# Altium PCB Thunderscope_Rev3.PCBDOC (part 2 of 6) (continued)
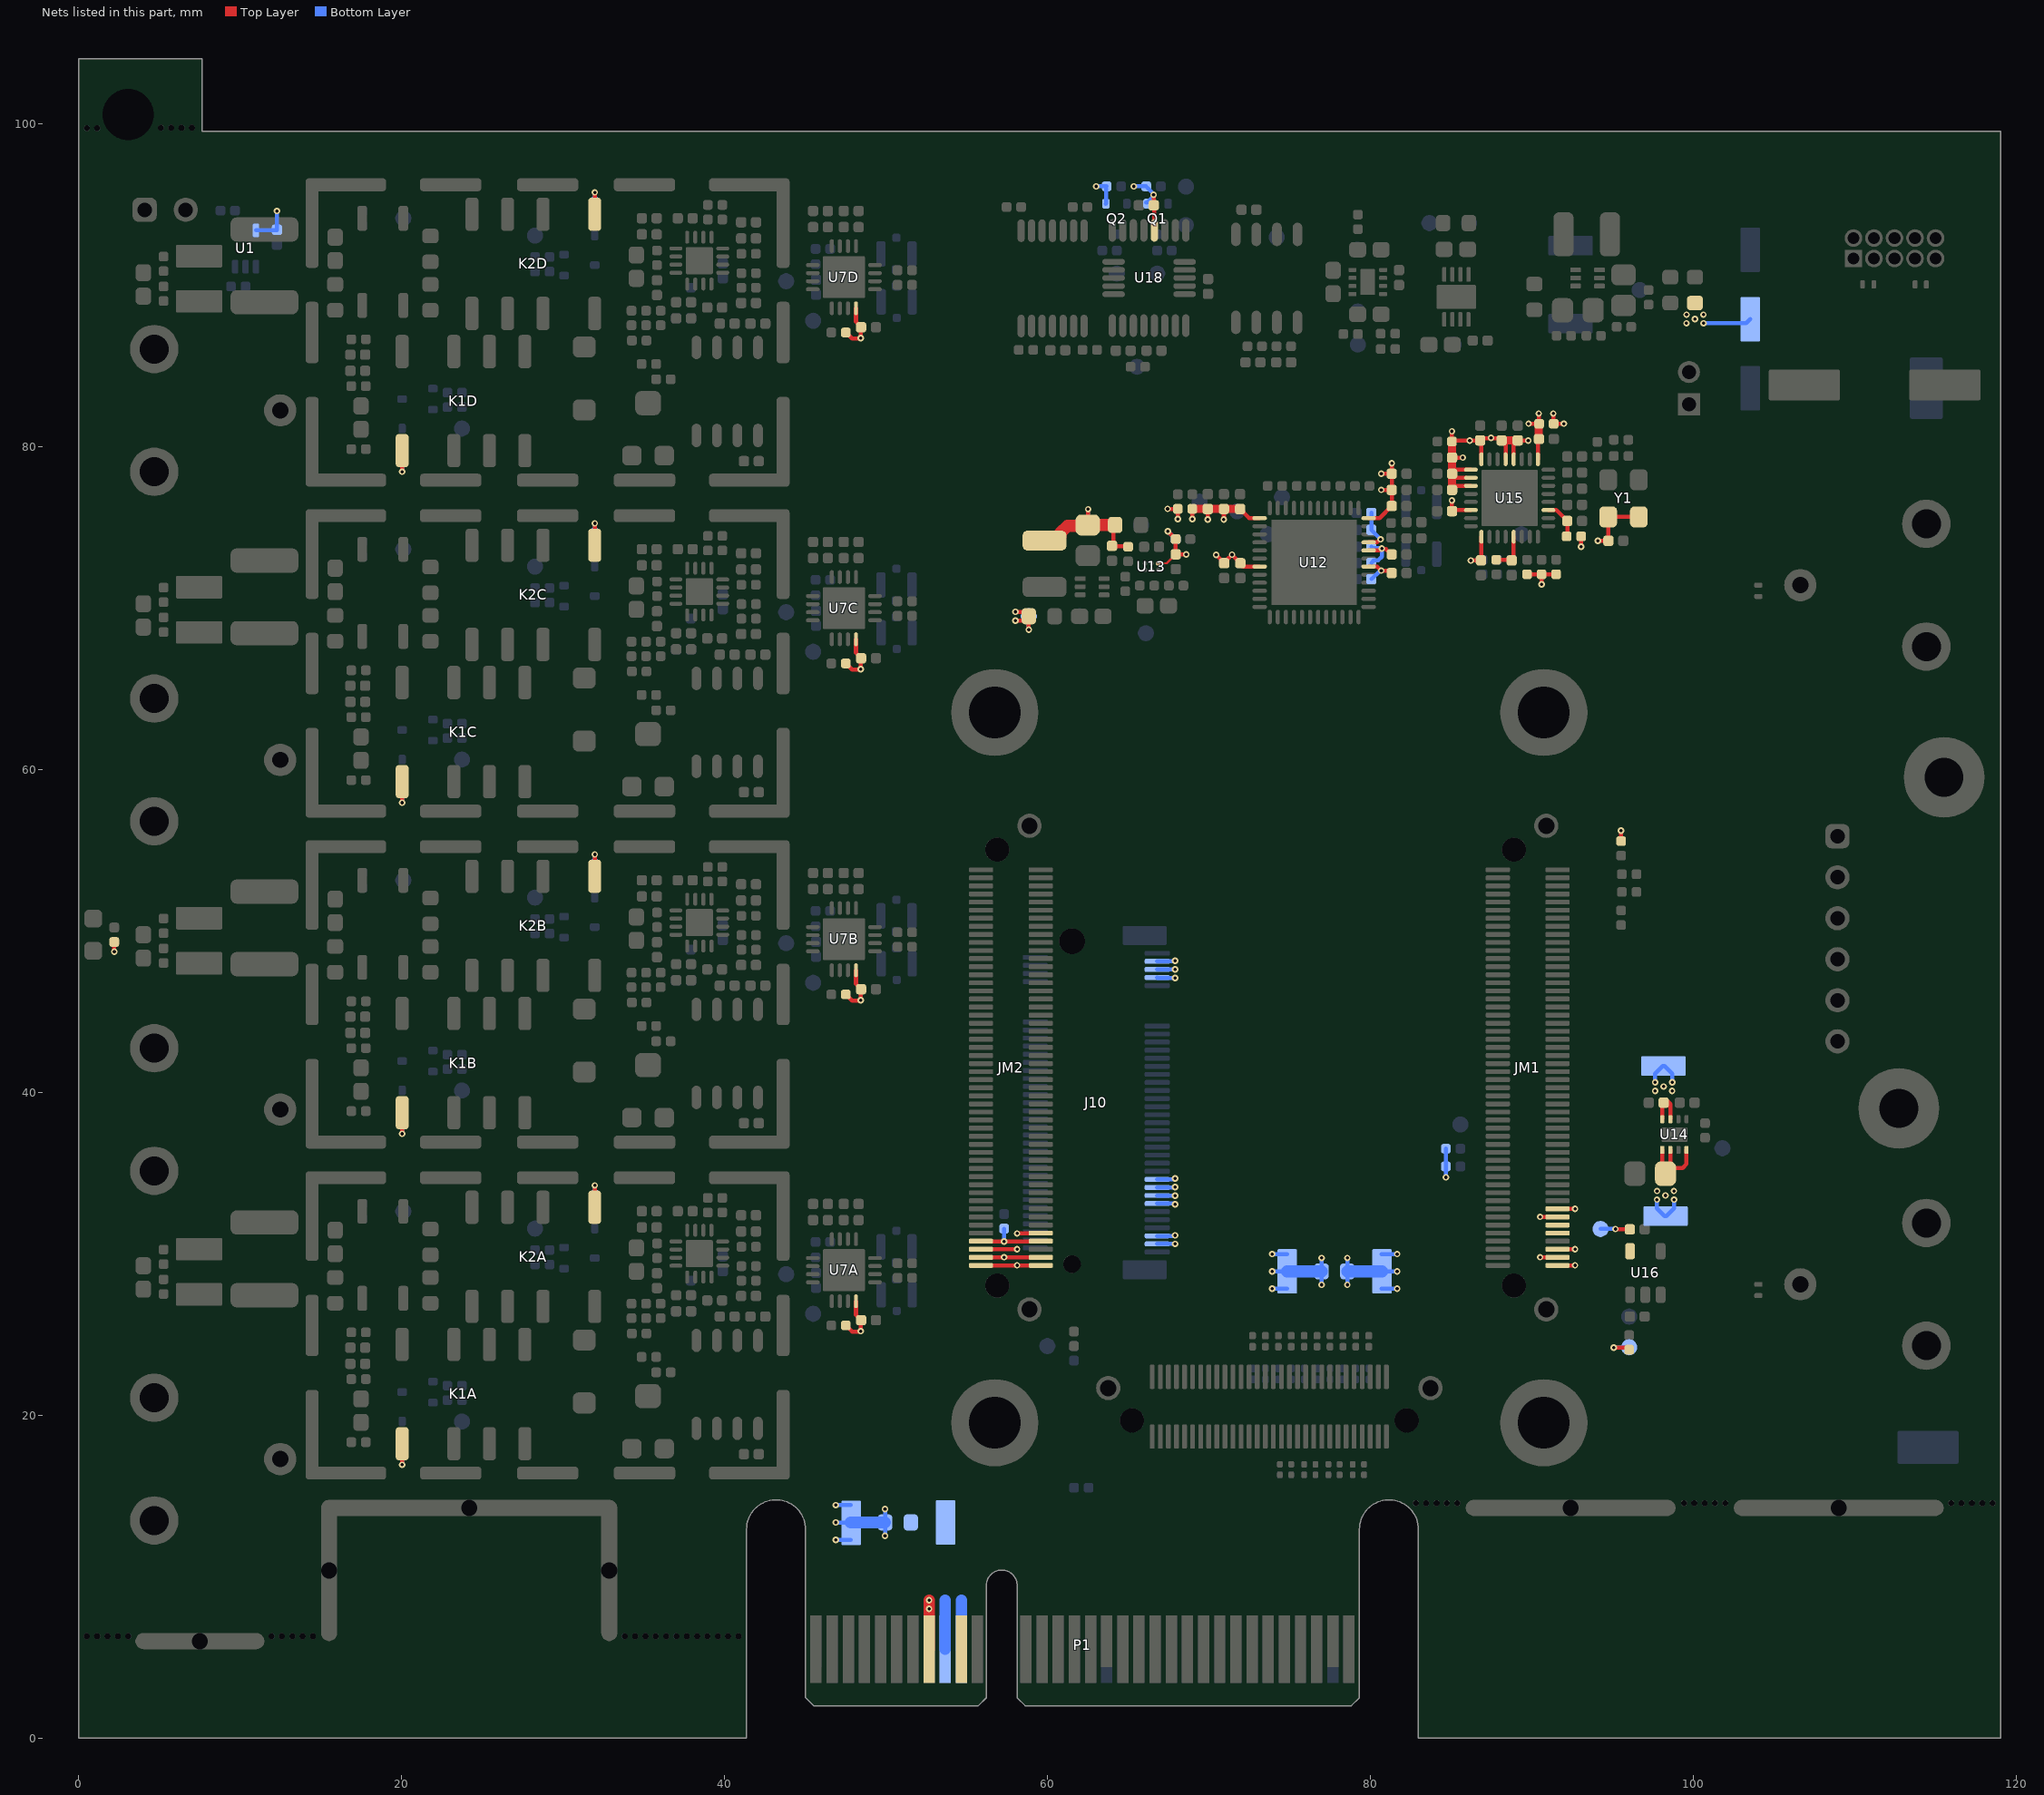
[diagram p6: the nets of this part, all layers, seen from the top]
## Footprints (in the part's own frame and the unit in brackets; to place one, negate y for a bottom-side part, rotate by r counter-clockwise, add the part's x,y. Pads: shape width x height; smd on the part's side, far side on the other; paste and mask are expansions set on the pad) (continued)
  silkscreen extent -0.83,-0.85 0.65,1.2, body extent -0.8,-0.85 0.8,0.85, height 0.6
TI_TSSOP16_PW0016A [mm] "TSOP, 16-Leads, Body 5.00x4.40mm, Pitch 0.65mm, IPC Medium Density"
  oval 1.4x0.45 smd: 1(-2.95,2.275) 2(-2.95,1.625) 3(-2.95,0.975) 4(-2.95,0.325) 5(-2.95,-0.325) 6(-2.95,-0.975) 7(-2.95,-1.625) 8(-2.95,-2.275) 9(2.95,-2.275) 10(2.95,-1.625) 11(2.95,-0.975) 12(2.95,-0.325) 13(2.95,0.325) 14(2.95,0.975) 15(2.95,1.625) 16(2.95,2.275)
  silkscreen extent -3.07,-2.55 1.85,3.17, body extent -3.2,-2.55 3.2,2.55, height 1.2
TI_VQFN_RGT0016C [mm] "QFN, 16-Leads, Body 3.00x3.00mm, Pitch 0.50mm, Thermal Pad 1.68x1.68mm, IPC Medium Density"
  oval 0.8x0.25 smd: 1(-1.45,0.75) 2(-1.45,0.25) 3(-1.45,-0.25) 4(-1.45,-0.75) 9(1.45,-0.75) 10(1.45,-0.25) 11(1.45,0.25) 12(1.45,0.75)
  oval 0.25x0.8 smd: 5(-0.75,-1.45) 6(-0.25,-1.45) 7(0.25,-1.45) 8(0.75,-1.45) 13(0.75,1.45) 14(0.25,1.45) 15(-0.25,1.45) 16(-0.75,1.45)
  rrect10% 1.68x1.68 smd paste-0.1: 17(0,0)
  silkscreen extent -2.47,-1.7 1.7,1.7, body extent -1.55,-1.55 1.55,1.55, height 1
TI_WQFN_RGH0016A [mm] "QFN, 16-Leads, Body 4.00x4.00mm, Pitch 0.50mm, Thermal Pad 2.60x2.60mm, IPC Medium Density"
  oval 0.85x0.25 smd: 1(-1.925,0.75) 2(-1.925,0.25) 3(-1.925,-0.25) 4(-1.925,-0.75) 9(1.925,-0.75) 10(1.925,-0.25) 11(1.925,0.25) 12(1.925,0.75)
  oval 0.25x0.85 smd: 5(-0.75,-1.925) 6(-0.25,-1.925) 7(0.25,-1.925) 8(0.75,-1.925) 13(0.75,1.925) 14(0.25,1.925) 15(-0.25,1.925) 16(-0.75,1.925)
  rrect5% 2.6x2.6 smd paste-1.3: 17(0,0)
  silkscreen extent -2.97,-2.2 2.2,2.2, body extent -2.05,-2.05 2.05,2.05, height 0.8
TI_WSON8_DSG0008A [mm] "SON, 8-Leads, Body 2.00x2.00mm, Pitch 0.50mm, Thermal Pad 1.60x0.69mm, IPC Medium Density"
  rrect50% 0.5x0.25 smd: 1(-0.95,0.75) 2(-0.95,0.25) 3(-0.95,-0.25) 4(-0.95,-0.75) 5(0.95,-0.75) 6(0.95,-0.25) 7(0.95,0.25) 8(0.95,0.75)
  rrect10% 0.9x1.6 smd paste-0.9: 9(0,0)
  silkscreen extent -1.35,-1.2 1.05,1.25, body extent -1.05,-1.05 1.05,1.05, height 0.8
TI_X1SON_DPY0002A [mm] "Chip Resistor, 2-Leads, Body 1.00x0.50mm, IPC Medium Density"
  rrect50% 0.3x0.5 smd: 1(-0.35,0) 2(0.35,0)
  body extent -0.55,-0.35 0.55,0.35, height 0.45

## Part data
C1 C12 C13 C14 C24A C24B C24C C24D C26A C26B C26C C26D C28A C28B C28C C28D C32A C32B C32C C32D C33A C33B C33C C33D C34A C34B C34C C34D C35A C35B C35C C35D C36A C36B C36C C36D C37A C37B C37C C37D C38A C38B C38C C38D C39A C39B C39C C39D C59 C63A C63B C63C C63D C64A C64B C64C C64D C96 C97 C98 C99 C100 C102A C102B C102C C102D C103 C104 C107 C108 C109 C110: library part "CAP 100nF 16V X7R 0402", Package=0402, Supplier Part Number 1=490-4759-1-ND, Voltage Rating=16V, Supplier 1=Digi-Key
C2 C3 C53 C91: library part "CAP 22uF 25V X5R 0805", Package=0805, Supplier Part Number 1=490-10749-1-ND, Voltage Rating=25V, Supplier 1=Digi-Key
C4 C10 C22A C22B C22C C22D C45 C46 C56: library part "CAP 1nF 50V C0G 0402", Package=0402, Supplier Part Number 1=490-6189-1-ND, Voltage Rating=50V, Supplier 1=Digi-Key
C5 C6 C7 C8 C11 C52 C60: library part "CAP 10uF 10V X5R 0603", Package=0402, Supplier Part Number 1=490-10474-1-ND, Voltage Rating=10V, Supplier 1=Digi-Key
C9 C25A C25B C25C C25D C41 C42 C49 C50 C54 C58 C82 C83 C84 C85 C86 C87 C88 C89 C90 C92 C93 C94 C95 C105 C106: library part "CAP 1uF 25V X5R 0402", Package=0402, Supplier Part Number 1=490-10017-1-ND, Voltage Rating=25V, Supplier 1=Digi-Key
C15 C16 C40 C62 C65 C66 C67 C68 C69 C70 C71 C72 C73 C74 C75 C76 C77 C79 C80 C81: library part "CAP 100nF 6.3V X5R 0201", Package=0201, Supplier Part Number 1=490-3167-1-ND, Voltage Rating=6.3V, Supplier 1=Digi-Key
C17A C17B C17C C17D C27A C27B C27C C27D C101A C101B C101C C101D: library part "CAP 22nF 100V X7R 0603", Package=0603, Supplier Part Number 1=490-4782-1-ND, Voltage Rating=100V, Supplier 1=Digi-Key
C18A C18B C18C C18D: library part "CAP TRIMMER 5.5-20PF 500V", Supplier Part Number 1=2447-SGC3S200NMCT-ND, Supplier 1=Digikey
C19A C19B C19C C19D: library part "CAP 10pF 100V C0G 0603", Package=0603, Supplier Part Number 1=478-5769-1-ND, Voltage Rating=100V, Supplier 1=Digi-Key
C20A C20B C20C C20D: library part "CAP 680pF 50V C0G 0402", Package=0402, Supplier Part Number 1=490-16439-1-ND, Temperature Coefficient=C0G, Voltage Rating=50V, Supplier 1=Digi-Key
C21A C21B C21C C21D: library part "CAP 300pF 50V C0G 0402", Package=0402, Supplier Part Number 1=490-GCM1555C1H301FA16DCT-ND, Temperature Coefficient=C0G, Voltage Rating=50V, Supplier 1=Digi-Key
C23A C23B C23C C23D C43 C44 C47 C48 C55 C57: library part "CAP 10nF 50V X7R 0402", Package=0402, Supplier Part Number 1=490-6351-1-ND, Voltage Rating=50V, Supplier 1=Digi-Key
C29A C29B C29C C29D C30A C30B C30C C30D: library part "CAP 100pF 50V C0G 0402", Package=0402, Supplier Part Number 1=490-14349-1-ND, Temperature Coefficient=C0G, Voltage Rating=50V, Supplier 1=Digi-Key
C31A C31B C31C C31D C61 C78A C78B C78C C78D: library part "CAP 2.2uF 10V X5R 0402", Package=0402, Supplier Part Number 1=587-3153-1-ND, Voltage Rating=10V, Supplier 1=Digi-Key
C51: library part "CAP 39pF 50V C0G 0402", Package=0402, Supplier Part Number 1=399-C0402C390J5GAC7867CT-ND, Temperature Coefficient=C0G, Voltage Rating=50V, Supplier 1=Digi-Key
C111: library part "CAP 1000uF 16V 10mm Dia", Package=10mm, Supplier Part Number 1=P124991CT-ND, Voltage Rating=16V, Supplier 1=Digi-Key
D1: library part "LED GREEN 0603 LTST-S270K", Supplier Part Number 1=160-1478-1-ND, Supplier 1=Digi-Key
D2A D2B D2C D2D D3A D3B D3C D3D: library part "DIODE 1N4148", Max Current=150mA, Max Reverse Voltage=75V, Supplier Part Number 1=1N4148WS-FDICT-ND, Supplier 1=Digi-Key
D4 D5 D6 D7: library part "TVS TPD1E1B04", Supplier Part Number 1=296-47364-1-ND, Supplier 1=Digi-Key
FB1 FB2 FB3 FB4 FB5 FB6 FB7: library part "FERRITE BEAD 120 OHM 0402", Supplier Part Number 1=490-9656-1-ND, Supplier 1=Digi-Key
GDT1A GDT1B GDT1C GDT1D: library part "GDT 75V 1812", Supplier Part Number 1=YAG6774CT-ND, Supplier 1=Digi-Key
J1: library part "CONN 2.54mm 2 Pin TH RA", Supplier Part Number 1=SAM12296-ND, Supplier 1=Digi-Key
J2A J2B J2C J2D J3A J3B J3C J3D J5 J6: library part "UFL Jack SMD", Supplier Part Number 1=A145155CT-ND, Supplier 1=Digi-Key
J4A J4B J4C J4D J7 J9: library part "BNC JACK R/A", Supplier Part Number 1=WM5524-ND, Supplier 1=Digi-Key
J8: library part "CONN 2.54mm 6 Pin TH RA", Supplier Part Number 1=732-5339-ND, Supplier 1=Digi-Key
J10: Supplier Part Number 1=A124992CT-ND, Supplier 1=Digi-Key
J11: library part "CONN 1.27mm 2x5 Pin TH RA", Supplier Part Number 1=1175-1628-ND, Supplier 1=Digi-Key
J12: library part "CONN JST PH 2 Pin TH", Supplier Part Number 1=455-1704-ND, Supplier 1=Digi-Key
JM1 JM2: library part "CONN LSHM-150-04.0-L-DV-A-S-K-TR", Supplier Part Number 1=SAM9033CT-ND, Supplier 1=Digi-Key
JM3: library part "CONN LSHM-130-04.0-L-DV-A-S-K-TR", Supplier Part Number 1=SAM9034CT-ND, Supplier 1=Digi-Key
K1A K1B K1C K1D K2A K2B K2C K2D: library part "RELAY DPDT-NO FTR-B3SA", Supplier Part Number 1=817-FTR-B3SA003Z, Supplier 1=Mouser
L1 L2: library part "IND 1uH 3.1A 45 MOHM 1210", Supplier Part Number 1=490-10590-1-ND, Supplier 1=Digi-Key
MH1 MH2 MH3 MH4: library part "MH M3"
P1: library part CMP-0001-00031-2, "Golden finger, PCIeX4, Dual, Opposite, Pitch 1mm, 64-Position", ClassName="Edge Connector", Datasheet Version="rev2.0, Apr-2007", Mating Connector=Molex-87715-9106, Package Reference=PCIeX4-GF-2D-1000-1K-O64, Publisher=Altium
Q1 Q2 Q3A Q3B Q3C Q3D Q4A Q4B Q4C Q4D: library part "NMOS DMN62D0UW", Max Power=320mW, Supplier Part Number 1=DMN62D0UW-7DICT-ND, Id=340mA, Supplier 1=Digi-Key, Vdss=60V
R1 R30A R30B R30C R30D R31A R31B R31C R31D R33A R33B R33C R33D R40A R40B R40C R40D R50A R50B R50C R50D R51A R51B R51C R51D R86 R88 R106 R107 R108 R109: library part "RES 0 OHM 1/16W 0402", Package=0402, Power Rating=0.0625W, Supplier Part Number 1=311-0.0JRCT-ND, Supplier 1=Digi-Key
R2 R6 R14 R16 R20 R21 R22 R23 R26A R26B R26C R26D R27A R27B R27C R27D R28A R28B R28C R28D R29A R29B R29C R29D R38 R42 R44 R46 R52A R52B R52C R52D R56A R56B R56C R56D R66 R89 R90 R91 R92 R93 R94 R96A R96B R96C R96D R101 R102 R103 R110: library part "RES 10K OHM 1% 1/10W 0402", Package=0402, Power Rating=0.1W, Supplier Part Number 1=P10.0KLCT-ND, Tolerance=1%, Supplier 1=Digi-Key
R3 R4 R5 R7 R36 R58 R87 R95: library part "RES 0.01 OHM 1% 1/4W 0603", Package=0603, Power Rating=0.25W, Supplier Part Number 1=408-1404-1-ND, Tolerance=1%, Supplier 1=Digi-Key
R8 R9 R104: library part "RES 0.1 OHM 1% 1/6W 0402", Package=0402, Power Rating=0.16W, Supplier Part Number 1=P.10AKCT-ND, Tolerance=1%, Supplier 1=Digi-Key
R10 R25A R25B R25C R25D: library part "RES 681K OHM 1% 1/16W 0402", Package=0402, Power Rating=0.0625W, Supplier Part Number 1=YAG3212CT-ND, Tolerance=1%, Supplier 1=Digi-Key
R11 R24A R24B R24C R24D: library part "RES 309K OHM 1% 1/16W 0402", Package=0402, Power Rating=0.0625W, Supplier Part Number 1=YAG3108CT-ND, Tolerance=1%, Supplier 1=Digi-Key
R12 R43A R43B R43C R43D R47A R47B R47C R47D R49A R49B R49C R49D: library part "RES 90.9K OHM 1% 1/16W 0402", Package=0402, Power Rating=0.0625W, Supplier Part Number 1=311-90.9KLRCT-ND, Tolerance=1%, Supplier 1=Digi-Key
R13 R32A R32B R32C R32D R39 R61 R105: library part "RES 100K OHM 1% 1/10W 0402", Package=0402, Power Rating=0.1W, Supplier Part Number 1=311-100KLRCT-ND, Tolerance=1%, Supplier 1=Digi-Key
R15 R17 R18 R19 R48A R48B R48C R48D: library part "RES 2K OHM 1% 1/16W 0402", Package=0402, Power Rating=0.0625W, Supplier Part Number 1=311-2KLRCT-ND, Tolerance=1%, Supplier 1=Digi-Key
R34A R34B R34C R34D R41A R41B R41C R41D R99A R99B R99C R99D R100A R100B R100C R100D: library part "RES 909K OHM 1% 1/16W 0402", Package=0402, Power Rating=0.0625W, Supplier Part Number 1=YAG2377CT-ND, Tolerance=1%, Supplier 1=Digi-Key
R35A R35B R35C R35D R67 R97A R97B R97C R97D R98A R98B R98C R98D: library part "RES 1K OHM 1% 1/10W 0402", Package=0402, Power Rating=0.1W, Supplier Part Number 1=311-1.00KLRCT-ND, Tolerance=1%, Supplier 1=Digi-Key
R37: library part "RES 220K OHM 1% 1/16W 0402", Package=0402, Power Rating=0.0625W, Supplier Part Number 1=311-220KLRCT-ND, Tolerance=1%, Supplier 1=Digi-Key
R45A R45B R45C R45D: library part "RES 30 OHM 1% 1/3W 0603", Package=0603, Power Rating=0.33W, Supplier Part Number 1=2019-SG73P1JTTD30R0FCT-ND, Tolerance=1%, Supplier 1=Digi-Key
R53A R53B R53C R53D R65A R65B R65C R65D: library part "RES 10 OHM 1% 1/3W 0603", Package=0603, Power Rating=0.33W, Supplier Part Number 1=2019-SG73P1JTTD10R0FCT-ND, Tolerance=1%, Supplier 1=Digi-Key
R54A R54B R54C R54D: library part "RES DNP 0402", Package=0402, Power Rating=0.0625W, Tolerance=1%
R55A R55B R55C R55D: library part "TRIMMER 5K OHM 0.1W J LEAD TOP", Power Rating=0.1W, Supplier Part Number 1=TC33X-502ECT-ND, Tolerance=1%, Supplier 1=Digi-Key
R57 R60 R62 R63 R64: library part "RES 100 OHM 1% 1/10W 0402", Package=0402, Power Rating=0.1W, Supplier Part Number 1=2019-RK73H1ETTP1000FCT-ND, Tolerance=1%, Supplier 1=Digi-Key
R59: library part "RES 261K OHM 1% 1/16W 0402", Package=0402, Power Rating=0.0625W, Supplier Part Number 1=311-261KLRCT-ND, Tolerance=1%, Supplier 1=Digi-Key
R68 R69 R70 R71 R72 R73 R74 R75 R76 R77 R78 R79 R80 R81 R82 R83: library part "RES 0 OHM 1% 1/20W 0201", Package=0201, Power Rating=0.05W, Supplier Part Number 1=RMCF0201ZT0R00CT-ND, Tolerance=1%, Supplier 1=Digi-Key
R84 R85: library part "RES 49.9 OHM 1% 1/10W 0402", Package=0402, Power Rating=0.1W, Supplier Part Number 1=311-49.9LRCT-ND, Tolerance=1%, Supplier 1=Digi-Key
SHLD3A SHLD3B SHLD3C SHLD3D: library part "SHIELD 2118728-2", Supplier Part Number 1=A126158CT-ND, Supplier 1=Digi-Key
TP1 TP3 TP4 TP8 TP18 TP32 TP40 TP41 TP45 TP46 TP47: library part "TP KEYSTONE 5015", Supplier Part Number 1=36-5015CT-ND, Supplier 1=Digi-Key
TP2 TP7 TP9 TP10 TP11 TP12 TP13 TP14 TP15 TP16 TP17 TP19 TP20 TP21 TP22A TP22B TP22C TP22D TP23A TP23B TP23C TP23D TP24A TP24B TP24C TP24D TP25A TP25B TP25C TP25D TP26A TP26B TP26C TP26D TP27 TP28 TP29 TP30 TP31 TP33 TP34 TP35 TP36 TP37 TP38 TP39 TP42 TP43 TP44: library part "TP PCB 1mm"
TP5 TP6: library part "TP KEYSTONE 5019", Supplier Part Number 1=36-5019CT-ND, Supplier 1=Digi-Key
U1: library part "IC BUFFER SN74LVC1G17", Supplier Part Number 1=296-11934-1-ND, Supplier 1=Digi-Key
U2: library part "IC BOOST TPS61023", Supplier Part Number 1=296-TPS61023DRLTCT-ND, Supplier 1=Digi-Key
U3: library part "IC LDO ADM7171ACPZ-5.0", Supplier Part Number 1=505-ADM7171ACPZ-5.0-R7CT-ND, Supplier 1=Digi-Key
U4: library part "IC CPUMP LM27761", Supplier Part Number 1=296-44379-1-ND, Supplier 1=Digi-Key
U5 U9A U9B U9C U9D: library part "IC OPAMP OP07CDR", Supplier Part Number 1=296-14626-1-ND, Supplier 1=Digi-Key
U6: library part "IC DAC QUAD MCP4728", Supplier Part Number 1=MCP4728A1T-E/UNCT-ND, Supplier 1=Digi-Key
U7A U7B U7C U7D: library part "IC PGA LMH6518", Supplier Part Number 1=LMH6518SQE/NOPBCT-ND, Supplier 1=Digi-Key
U8A U8B U8C U8D: library part "IC BUFFER AMP BUF802", Supplier Part Number 1=595-BUF802IRGTR, Supplier 1=Mouser
U10A U10B U10C U10D: library part "SSR CPC1019NTR", Supplier Part Number 1=849-CPC1019NTR, Supplier 1=Mouser
U11: library part "IC BUCK TPS62A01", Supplier Part Number 1=595-TPS62A01DRLR, Supplier 1=Mouser
U12: library part "IC ADC HMCAD1511", Supplier Part Number 1=1127-1648-ND, Supplier 1=Digi-Key
U13: library part "IC LDO LD57100JR", Supplier Part Number 1=497-LD57100JRCT-ND, Supplier 1=Digi-Key
U14: library part "IC SWITCH LOAD TPS22975", Supplier Part Number 1=296-47228-1-ND, Supplier 1=Digi-Key
U15: library part "IC CLK GEN ZL30250LDG1", Supplier Part Number 1=494-ZL30250LDG1, Supplier 1=Mouser
U16: library part "IC LDO TPS7A2025", Supplier Part Number 1=296-TPS7A2025PDBVRCT-ND, Supplier 1=Digi-Key
U17: library part "IC DIGIPOT QUAD MCP4432T-503E", Supplier Part Number 1=579-MCP4432T-503E/ST, Supplier 1=Mouser
U18: library part "IC DAC QUAD DAC8574", Supplier Part Number 1=DAC8574IPWR, Supplier 1="Texas Instruments"
VAR1A VAR1B VAR1C VAR1D: library part "VARISTOR 68V 250A 1210", Supplier Part Number 1=118-ZV40K1210251NIR1HTCT-ND, Supplier 1=Digi-Key
Y1: library part "OSC 10MHz ECS-TXO-3225MV", Supplier Part Number 1=50-ECS-TXO-3225MV-100-CT-ND, Supplier 1=Digi-Key

## Free pads (board coordinates)
  round 0.38 hole 0.38 unplated mask+0: 1(0.5,6.3) 1(0.5,99.7) 1(1.14,6.3) 1(1.14,99.7) 1(1.78,6.3) 1(2.42,6.3) 1(3.06,6.3) 1(5.085,99.725) 1(5.725,99.725) 1(6.365,99.725) 1(7.005,99.725) 1(11.94,6.3) 1(12.58,6.3) 1(13.22,6.3) 1(13.86,6.3) 1(14.5,6.3) 1(33.81,6.3) 1(34.45,6.3) 1(35.09,6.3) 1(35.73,6.3) 1(36.37,6.3) 1(37.01,6.3) 1(37.65,6.3) 1(38.29,6.3) 1(38.93,6.3) 1(39.57,6.3) 1(40.21,6.3) 1(40.85,6.3) 1(82.795,14.55) 1(83.435,14.55) 1(84.075,14.55) 1(84.715,14.55) 1(85.355,14.55) 1(99.395,14.55) 1(100.035,14.55) 1(100.675,14.55) 1(101.315,14.55) 1(101.955,14.55) 1(115.94,14.55) 1(116.58,14.55) 1(117.22,14.55) 1(117.86,14.55) 1(118.5,14.55)
  oval 8x1 hole 1 slot 8 at 0 deg unplated: 1(7.5,6)
  oval 1x8.75 hole 1 slot 8.75 at 90 deg unplated: 1(15.5,10.375) 1(32.85,10.375)
  oval 18.35x1 hole 1 slot 18.35 at 0 deg unplated: 1(24.175,14.25)
  oval 13x1 hole 1 slot 13 at 0 deg unplated: 1(92.375,14.25) 1(108.975,14.25)
  round 2.88 hole 3.18 unplated: MH1(3.05,100.55)
  round 5 hole 2.4: MH5(115.5,59.5) MH6(112.7,39)

## Via types
v1: diameter 0.406, hole 0.203, Top Layer to Bottom Layer, tented both sides, 1216 vias

## Nets (pads, with @x,y where several pads share a name; then routed paths per layer and width w, separated by ;. In a path a pad name is that pad's centre, name@x,y a point inside that pad or via, vN(x,y) a via of type N, cw(c..) or ccw(c..) an arc to the next point about the centre after c; other vN are vias at no path point)
3.3Vaux: P1.B10
+1V8A: C41.2 C42.2 C43.2 C44.2 C45.2 C46.2 C54.2 C55.2 C56.2 FB1.2 U12.1 U12.32 U12.36 | length 15.7
  Top Layer w0.254: v1(68.95,75.495) FB1.2@68.95,76.125 FB1.2@68.954,76.121 ; v1(69.9,75.466) 69.904,75.47 69.904,76.113 C42.2@69.907,76.117 C42.2@69.903,76.121 ; v1(70.9,75.466) 70.904,75.47 70.904,76.113 C44.2@70.907,76.117 ; C46.2@71.907,76.117 72.474,75.55 U12.1@73.118,75.55 ; U12.32@79.868,73.55 79.87,73.552 80.521,73.552 80.644,73.675 v1@80.675,73.675 ; U12.36@79.868,75.55 79.87,75.552 80.549,75.552 C45.2@81.297,76.3 C43.2@81.297,77.3 ; v1(80.647,77.3) C43.2@81.297,77.3 ; v1(80.647,78.3) C41.2@81.297,78.3 ; v1(80.685,73.675) v1@80.675,73.675 ; C56.2@81.297,73.3 81.279,73.3 80.933,73.646 80.704,73.646 v1@80.675,73.675 ; v1(81.3,78.95) 81.299,78.949 81.299,78.301 C41.2@81.297,78.3 ; C43.2@81.297,77.3 C41.2@81.297,78.3
  Top Layer w0.5: FB1.2@68.954,76.121 C42.2@69.903,76.121 ; C42.2@69.907,76.117 C44.2@70.907,76.117 C46.2@71.907,76.117
  Bottom Layer w0.254: C55.2@80.035,72.775 80.191,72.931 80.456,72.931 80.685,73.16 v1(80.685,73.675) 80.656,73.704 80.106,73.704 C54.2@80.035,73.775
+1V8APLL: C82.1 C83.1 C84.1 C85.1 C86.1 C87.1 C89.1 FB3.2 U15.12 U15.13 U15.16 U15.17 U15.18 U15.19 Y1.1 Y1.4 | length 18.7
  Top Layer w0.254: v1(85.025,80.93) FB3.2@85.025,80.3 85.075,80.35 v1(86.125,80.35) ; C87.1@85.035,77.282 C87.1@85.035,77.3 ; C85.1@85.035,79.3 v1(85.7,79.3) ; C87.1@85.278,77.55 U15.19@86.2,77.55 ; C86.1@85.278,78.55 U15.17@86.2,78.55 ; C86.1@85.302,78.051 U15.18@85.902,78.051 ; v1@86.132,80.358 C84.1@86.75,80.358 ; C84.1@86.775,80.365 C84.1@86.783,80.358 ; U15.16@86.85,79.2 86.848,79.202 86.848,80.292 C84.1@86.783,80.358 ; C83.1@88.1,80.365 87.969,80.496 87.479,80.496 v1(87.45,80.525) 87.421,80.496 86.921,80.496 C84.1@86.783,80.358 ; C83.1@88.125,80.347 88.35,80.122 U15.13@88.35,79.2 ; U15.12@88.851,79.498 88.851,80.098 88.967,80.214 C82.1@88.967,80.365 ; C82.1@89.1,80.365 89.108,80.358 89.743,80.358 v1(89.75,80.35) ; v1(94.065,74.15) C89.1@94.715,74.15 94.707,74.157 94.707,75.618 Y1.4@94.7,75.625 Y1.1@96.6,75.625
  Top Layer w0.5: C87.1@85.035,77.55 C86.1@85.035,78.3 C85.1@85.035,79.3 FB3.2@85.035,80.3 ; C83.1@88.1,80.365 88.967,80.365 C82.1@89.1,80.365
+1V8D: C47.2 C48.2 C49.2 C50.2 FB2.2 U12.7 U12.30 | length 7.3
  Top Layer w0.25: v1(67.42,76.125) FB2.2@68.05,76.125 v1(68.05,75.495) ; C47.2@71.87,72.605 72.061,72.605 72.098,72.568 72.098,72.55 U12.7@73.118,72.55 ; C47.2@71.925,72.76 C47.2@72.098,72.587 ; U12.30@79.868,72.55 80.397,72.55 v1(80.647,72.3) C48.2@81.297,72.3
  Top Layer w0.254: v1(70.427,73.275) 70.427,73.267 C50.2@70.925,72.768 ; C50.2@70.925,72.76 C50.2@70.925,72.768 ; v1@71.41,73.281 71.925,72.766 C47.2@71.925,72.76 ; v1(71.41,73.287) 71.118,72.994 71.118,72.971 70.925,72.778 C50.2@70.925,72.768
  Bottom Layer w0.25: C49.2@80.035,71.775 80.054,71.775 80.549,72.27 80.617,72.27 v1(80.647,72.3)
+1V8DPLL: C90.1 FB4.2 U15.29 | length 2.5
  Top Layer w0.254: FB4.2@87.775,72.975 87.795,72.955 88.705,72.955 C90.1@88.725,72.935 88.848,73.058 88.848,74.398 U15.29@88.85,74.4
+1V92: C51.2 C53.2 L2.2 R37.2 R58.1 TP38.1 | length 9.3
  Top Layer w0.254: C53.2@62.475,75.125 62.5,75.15 v1(62.5,76.105) ; R58.1@64.175,75.125 64.075,75.025 64.075,73.935 C51.2@63.975,73.835 64.005,73.805 64.945,73.805 R37.2@64.975,73.775
  Top Layer w0.75: L2.2@59.8,74.16 60.545,74.16 60.785,74.4 60.785,74.636 61.224,75.075 62.425,75.075 C53.2@62.475,75.125 R58.1@64.175,75.125
  Bottom Layer w0.254: TP38.1@62.475,75.125 62.488,75.138 62.488,76.093 v1(62.5,76.105)
+2V5: C106.2 JM1.10 JM1.12 TP31.1 U16.5 | length 1.8
  Top Layer w0.254: v1(95.15,31.525) 95.162,31.512 96.027,31.512 C106.2@96.04,31.5
  Bottom Layer w0.254: TP31.1@94.225,31.525 v1(95.15,31.525)
+3V3: C1.1 C26A.2 C26B.2 C26C.2 C26D.2 C57.2 C58.2 C61.2 C92.2 C109.2 D2A.1 D2B.1 D2C.1 D2D.1 D3A.1 D3B.1 D3C.1 D3D.1 FB5.1 FB6.1 K1A.1 K1B.1 K1C.1 K1D.1 K2A.1 K2B.1 K2C.1 K2D.1 Q1.2 Q2.2 R5.2 R20.2 R21.2 R29A.2 R29B.2 R29C.2 R29D.2 R36.1 R42.2 R44.2 R67.2 R89.2 R90.2 R91.2 R110.1 TP8.1 TP28.1 TP47.1 U1.5 U7A.12 U7B.12 U7C.12 U7D.12 U12.33 U13.C2 U14.7 U14.8 U18.12 | length 60.4
  Top Layer w0.127: U13.C2@66.825,72.75 67.365,72.75 C61.2@67.925,73.31
  Top Layer w0.254: v1(2.2,48.7) R67.2@2.2,49.3 ; v1(20.025,16.925) K1A.1@20.025,18.23 ; v1(20.025,37.425) K1B.1@20.025,38.73 ; v1(20.025,57.925) K1C.1@20.025,59.23 ; v1(20.025,78.425) K1D.1@20.025,79.73 ; K2A.1@31.95,32.87 v1(31.95,34.225) ; K2B.1@31.95,53.37 v1(31.95,54.725) ; K2C.1@31.95,73.87 v1(31.95,75.225) ; K2D.1@31.95,94.37 v1(31.95,95.725) ; R29A.2@47.5,25.55 47.512,25.55 47.887,25.175 48.4,25.175 v1(48.425,25.2) 48.432,25.207 48.432,25.868 C26A.2@48.44,25.875 48.44,25.893 48.125,26.208 U7A.12@48.125,27.05 ; R29B.2@47.5,46.05 47.512,46.05 47.887,45.675 48.4,45.675 v1(48.425,45.7) 48.432,45.707 48.432,46.368 C26B.2@48.44,46.375 48.44,46.393 48.125,46.708 U7B.12@48.125,47.55 ; R29C.2@47.5,66.55 47.512,66.55 47.887,66.175 48.4,66.175 v1(48.425,66.2) 48.432,66.208 48.432,66.868 C26C.2@48.44,66.875 48.44,66.893 48.125,67.208 U7C.12@48.125,68.05 ; R29D.2@47.5,87.05 47.512,87.05 47.887,86.675 48.4,86.675 v1(48.425,86.7) 48.432,86.707 48.432,87.368 C26D.2@48.44,87.375 48.44,87.393 48.125,87.708 U7D.12@48.125,88.55 ; v1(58,69.2) 58.55,69.2 R36.1@58.825,69.475 ; v1(58,69.75) 58.55,69.75 R36.1@58.825,69.475 ; v1(58.825,68.645) R36.1@58.825,69.475 ; v1(66.55,95.575) 66.555,95.57 66.555,94.93 C109.2@66.56,94.925 66.58,94.905 66.58,93.395 U18.12@66.6,93.375 ; v1(67.435,74.74) R42.2@67.925,74.25 C61.2@67.925,73.31 ; C61.2@67.93,73.305 v1@68.57,73.305 ; U12.33@79.868,74.05 79.87,74.052 80.382,74.052 80.57,74.24 v1(80.607,74.24) ; R89.2@89.675,72.075 R90.2@90.575,72.075 ; v1(90.575,71.445) R90.2@90.575,72.075 ; FB5.1@91.312,81.412 v1@91.312,82.018 ; FB5.1@91.325,81.4 v1(91.955,81.4) ; R91.2@91.475,72.075 R90.2@90.575,72.075 ; v1(93.025,73.775) FB6.1@93.025,74.425 ; R110.1@95.5,55.55 v1(95.5,56.2) ; U14.8@98.05,38.325 98.052,38.327 98.052,39.267 C92.2@98.135,39.35 98.308,39.177 C92.2@98.381,39.177 ; C92.2@98.3,39.525 98.55,39.275 U14.7@98.55,38.325
  Bottom Layer w0.254: U1.5@10.975,93.375 10.992,93.392 12.257,93.392 C1.1@12.275,93.41 v1(12.275,94.575) ; v1(20.025,16.925) D2A.1@20.025,17.495 ; v1(20.025,37.425) D2B.1@20.025,37.995 ; v1(20.025,57.925) D2C.1@20.025,58.495 ; v1(20.025,78.425) D2D.1@20.025,78.995 ; D3A.1@31.95,33.655 v1(31.95,34.225) ; D3B.1@31.95,54.155 v1(31.95,54.725) ; D3C.1@31.95,74.655 v1(31.95,75.225) ; D3D.1@31.95,95.155 v1(31.95,95.725) ; v1(58.825,68.645) TP28.1@58.825,69.475 ; v1@63,96.104 R21.2@63.624,96.104 ; Q2.2@63.6,95.025 63.625,95.05 63.625,96.075 R21.2@63.65,96.1 ; v1(65.325,96.1) R20.2@66.1,96.1 66.1,96.088 66.521,95.667 66.521,95.604 v1(66.55,95.575) 66.521,95.546 66.521,95.461 66.15,95.09 Q1.2@66.095,95.09 ; v1(67.435,74.74) R44.2@67.925,74.25 ; C58.2@80.035,75.875 C57.2@80.035,74.825 80.035,74.818 80.607,74.246 v1(80.607,74.24) ; v1(97.61,40.605) 97.61,41.152 98.083,41.625 TP47.1@98.125,41.625 98.19,41.625 98.663,41.152 v1(98.663,40.605) ; v1(100.6,87.62) 103.245,87.62 TP8.1@103.5,87.875
  other v1: 97.612,40.072 98.658,40.072 98.135,40.35 68.575,73.3 91.3,82.03 99.547,87.62 100.075,87.875 99.552,88.153 100.598,88.153 62.994,96.099
+3V3_IN: C91.2 JM1.2 JM1.4 JM1.6 JM1.14 JM1.16 JM2.1 JM2.2 JM2.3 JM2.4 JM2.5 JM2.7 JM2.8 JM2.10 R66.2 R87.2 R95.2 R101.2 R102.2 R104.1 TP14.1 TP32.1 TP41.1 TP46.1 U14.1 U14.2 U14.4 | length 45.7
  Top Layer w0.254: JM2.1@55.867,29.271 55.869,29.273 58.098,29.273 v1(58.1,29.275) 58.102,29.273 59.565,29.273 JM2.2@59.567,29.271 ; JM2.3@55.867,29.771 55.869,29.773 57.298,29.773 v1(57.3,29.775) 57.302,29.773 59.565,29.773 JM2.4@59.567,29.771 ; JM2.5@55.867,30.271 58.096,30.271 v1(58.1,30.275) ; JM2.7@55.867,30.771 55.877,30.76 57.29,30.76 v1(57.3,30.75) 57.31,30.76 59.557,30.76 JM2.8@59.567,30.771 ; v1(58.1,31.25) 58.11,31.26 59.557,31.26 JM2.10@59.567,31.271 ; v1(90.487,29.775) 90.489,29.773 91.565,29.773 JM1.4@91.567,29.771 ; v1(90.487,32.275) 90.489,32.273 91.565,32.273 JM1.14@91.567,32.271 ; JM1.2@91.567,29.271 91.569,29.273 92.645,29.273 v1(92.647,29.275) ; JM1.6@91.567,30.271 91.569,30.273 92.645,30.273 v1(92.647,30.275) ; JM1.16@91.567,32.771 91.569,32.773 92.645,32.773 v1(92.647,32.775) ; v1(95.05,24.175) 95.875,24.175 R104.1@96,24.05 ; U14.1@98.05,36.425 98.052,36.423 98.052,35.148 C91.2@98.25,34.95 C91.2@98.548,35.248 ; U14.2@98.55,36.425 98.548,36.423 C91.2@98.548,35.248 ; U14.4@99.55,36.425 99.55,35.55 99.309,35.309 98.609,35.309 C91.2@98.548,35.248
  Bottom Layer w0.254: v1(46.87,12.275) TP41.1@47.8,12.275 ; v1(46.87,13.35) TP41.1@47.8,13.35 ; v1(46.87,14.425) TP41.1@47.8,14.425 ; v1(49.925,12.52) R87.2@49.925,13.35 v1(49.925,14.18) ; v1(57.3,30.75) R66.2@57.3,31.55 ; v1(78.55,28.07) R95.2@78.55,28.9 v1(78.55,29.73) ; TP46.1@80.675,27.825 v1(81.63,27.825) ; TP46.1@80.675,28.9 v1(81.63,28.9) ; TP46.1@80.675,29.975 v1(81.63,29.975) ; v1(84.65,34.725) R102.2@84.65,35.4 R101.2@84.65,36.5 ; v1(95.05,24.175) 95.063,24.188 95.988,24.188 TP14.1@96,24.2 ; v1(97.722,33.345) 97.722,32.798 98.195,32.325 TP32.1@98.25,32.325 98.302,32.325 98.775,32.798 v1(98.775,33.345)
  Bottom Layer w0.75: TP41.1@47.8,13.35 R87.2@49.925,13.35 ; R95.2@78.55,28.9 80.675,28.9 TP46.1@80.7,28.9
  other v1: 98.25,33.6 97.727,33.878 98.773,33.878
+3V3_M2: J10.3 J10.5 J10.13 J10.15 J10.17 J10.19 J10.69 J10.71 J10.73 R95.1 TP45.1 | length 16.6
  Bottom Layer w0.254: J10.3@66.775,30.6 v1(67.88,30.6) ; J10.5@66.775,31.1 67.805,31.1 67.839,31.133 v1(67.88,31.133) ; J10.13@66.775,33.1 67.797,33.1 67.839,33.058 v1(67.88,33.058) ; J10.15@66.775,33.6 66.779,33.596 67.876,33.596 v1(67.88,33.592) ; J10.17@66.775,34.1 67.855,34.1 v1(67.88,34.125) ; J10.19@66.775,34.6 67.78,34.6 67.839,34.658 v1(67.88,34.658) ; J10.69@66.775,47.1 66.792,47.083 67.863,47.083 v1(67.88,47.067) ; J10.71@66.775,47.6 v1(67.88,47.6) ; J10.73@66.775,48.1 67.805,48.1 67.839,48.133 v1(67.88,48.133) ; v1(73.895,27.825) TP45.1@74.825,27.825 ; v1(73.895,28.9) TP45.1@74.825,28.9 ; v1(73.895,29.975) TP45.1@74.825,29.975 ; v1(76.95,28.07) R95.1@76.95,28.9 v1(76.95,29.73)
  Bottom Layer w0.75: TP45.1@74.825,28.9 R95.1@76.95,28.9
+3V3_PCIe: P1.A9 P1.A10 P1.B8 R87.1 TP40.1 | length 9.1
  Top Layer w0.7: P1.B8@52.65,5.5 v1(52.65,8) v1(52.65,8.533)
  Bottom Layer w0.7: P1.A9@53.65,5.5 53.65,8.525 ; P1.A10@54.65,5.5 54.65,8.525
+3V3APLL: C88.1 C93.1 C94.1 FB5.2 U15.9 U15.22 U15.25 | length 7.4
  Top Layer w0.254: v1(85.025,76.65) 85.03,76.645 85.03,75.98 C94.1@85.035,75.975 ; C94.1@85.035,76.05 U15.22@86.2,76.05 ; v1(86.2,72.925) 86.205,72.93 86.82,72.93 C88.1@86.825,72.935 86.848,72.958 86.848,74.398 U15.25@86.85,74.4 ; v1(89.775,81.4) 90.4,81.4 90.413,81.413 90.413,82.018 v1(90.4,82.03) ; U15.9@90.35,79.2 90.35,80.385 C93.1@90.415,80.45
  Top Layer w0.5: C93.1@90.4,80.465 FB5.2@90.4,81.4
+3V3DPLL: C95.1 FB6.2 U15.3 | length 2.4
  Top Layer w0.254: U15.3@91,76.05 91.49,76.05 C95.1@92.165,75.375 92.17,75.37 92.17,74.43 FB6.2@92.175,74.425